# Altium PCB LeVentilateur.PcbDoc (part 1 of 2) (continued)
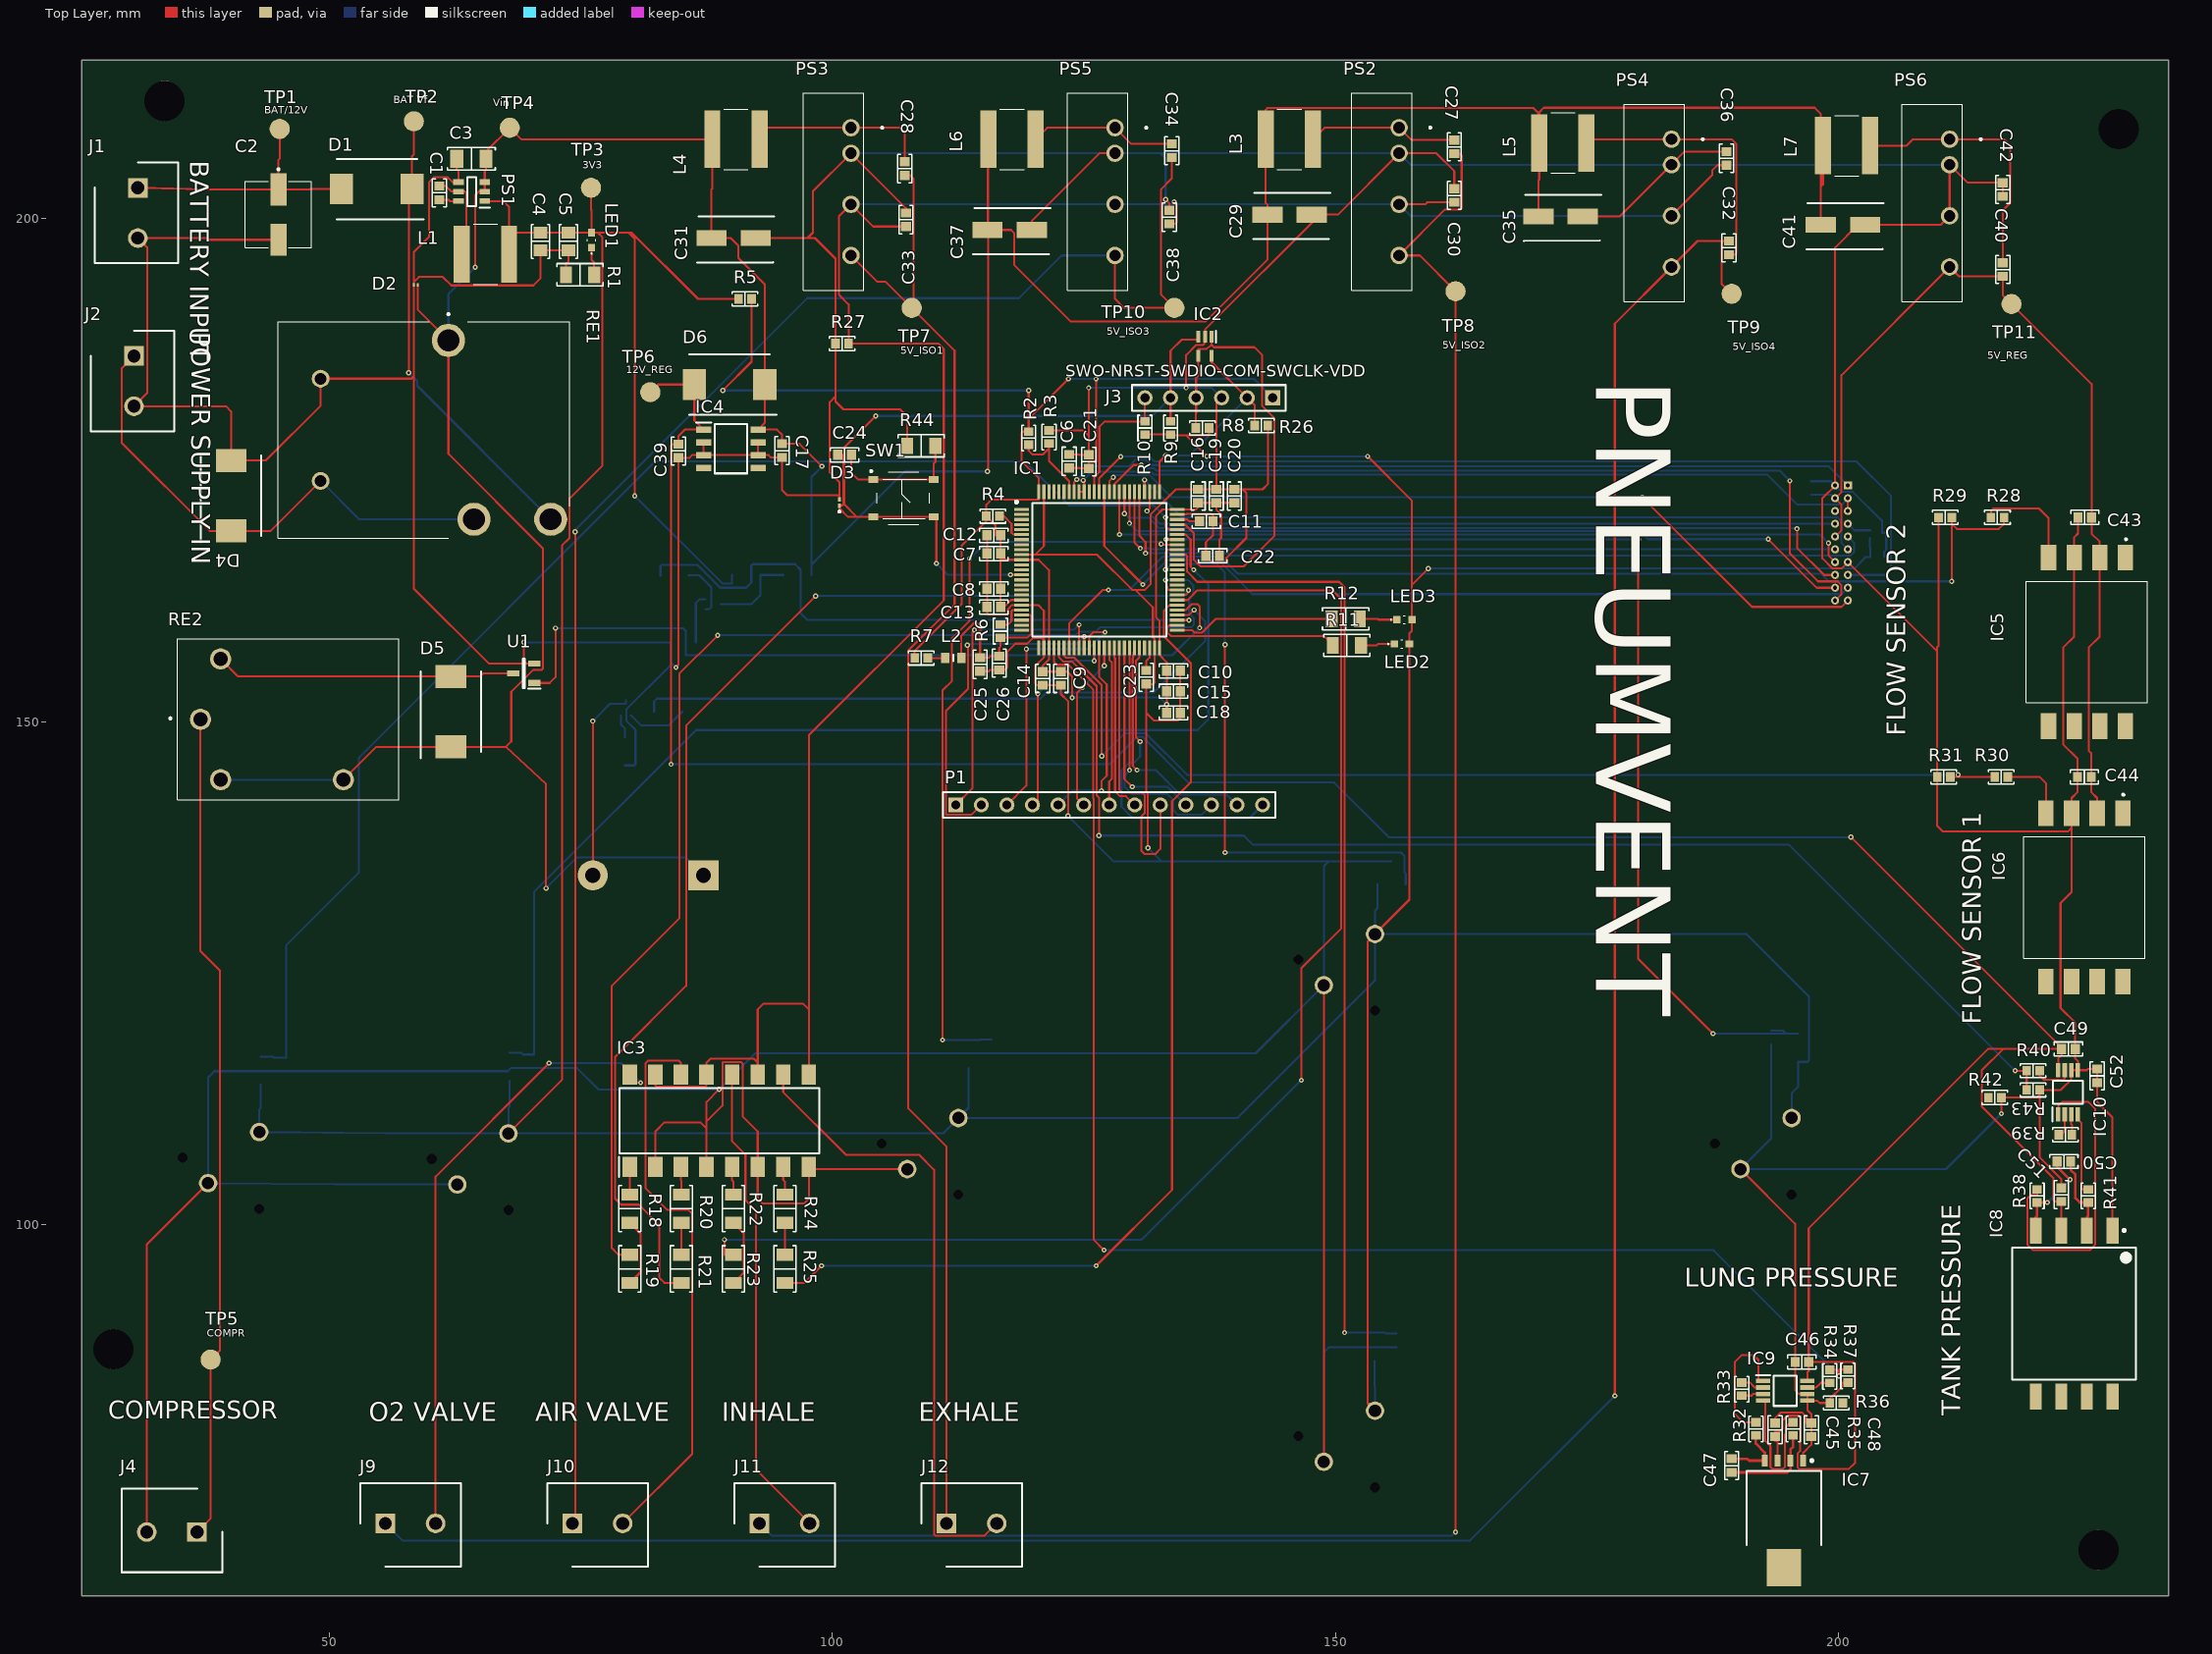
[diagram p0: Top Layer view]
## Part data (continued)
R17: library part ERJ-8ENF10R0V, "RES SMD 1.2K OHM 1% 1/4W 1206", Case/Package=1206, Case Code (Metric)=3216, Manufacturer 1=Yageo, Manufacturer Part Number 1=RC1206FR-071K2L, Max Operating Temperature=155°C, Max Power Dissipation=250mW, Min Operating Temperature=-55°C, Package Quantity=1, Resistance=1.2kR, Supplier Part Number 1=311-1.20KFRCT-ND, Temperature Coefficient=100ppm/°C, Tolerance=1%, Voltage Rating=200V, Case Code (Imperial)=1206, ComponentLink1Description=Datasheet, ComponentLink1URL=http://industrial.panasonic.com/www-cgi/jvcr13pz.cgi?E+PZ+3+AOA0002+ERJ8ENF10R0V+7+WW, ComponentLink2Description="Digi-Key listing", ComponentLink2URL=http://digikey.com/product-detail/en/ERJ-8ENF10R0V/P10.0FTR-ND/88239, ComponentLink3Description=http://www.seielect.com/Catalog/SEI-rncp.pdf?src-supplier=Digi-Key, ComponentLink3URL=http://www.seielect.com/Catalog/SEI-rncp.pdf?src-supplier=Digi-Key, ComponentLink4Description=https://www.seielect.com/catalog/SEI-Packaging.pdf?src-supplier=Digi-Key, ComponentLink4URL=https://www.seielect.com/catalog/SEI-Packaging.pdf?src-supplier=Digi-Key, ComponentLink5Description=https://datasheet.ciiva.com/7857/444357-7857274.pdf?src-supplier=Element14, ComponentLink5URL=https://datasheet.ciiva.com/7857/444357-7857274.pdf?src-supplier=Element14, ComponentLink6Description=https://datasheet.ciiva.com/7857/444357-7857275.pdf?src-supplier=Element14, ComponentLink6URL=https://datasheet.ciiva.com/7857/444357-7857275.pdf?src-supplier=Element14, ComponentLink7Description=https://datasheet.ciiva.com/2460/pyu-rc1206-51-rohs-l-4-2460285.pdf?src-supplier=Digi-Key, ComponentLink7URL=https://datasheet.ciiva.com/2460/pyu-rc1206-51-rohs-l-4-2460285.pdf?src-supplier=Digi-Key, ComponentLink8Description=https://datasheet.ciiva.com/2460/pyu-rc1206-51-rohs-l-4-2460286.pdf?src-supplier=Digi-Key, ComponentLink8URL=https://datasheet.ciiva.com/2460/pyu-rc1206-51-rohs-l-4-2460286.pdf?src-supplier=Digi-Key, ComponentLink9Description=https://datasheet.ciiva.com/2460/pyu-rc1206-51-rohs-l-4-2460287.pdf?src-supplier=Digi-Key, ComponentLink9URL=https://datasheet.ciiva.com/2460/pyu-rc1206-51-rohs-l-4-2460287.pdf?src-supplier=Digi-Key, Composition="Thick Film", Depth=1.6mm, Description 1="RES SMD 1.2K OHM 1% 1/4W 1206", Features="Moisture Resistant", Height=0.026inch, Lead Free="Lead Free", Length=3.1mm, Military Standard=Not, Number of Terminations=2, Packaging="Tape and Reel", Power Rating=250mW, Pricing 1="1 = 0.10000, 10 = 0.07100, 100 = 0.02910, 1000 = 0.01306, 2500 = 0.01134 (USD)", REACH SVHC=Unknown, RoHS 1=Yes, Stock 1=670082, Supplier 1=Digi-Key, Termination=SMD/SMT, Width=0.063inch, Working Voltage=200V
R28 R30: library part ERJ-3EKF1001V, "RES SMD 100K OHM 0.5% 1/16W 0603", Case/Package=0603, Case Code (Metric)=1608, Manufacturer 1=Susumu, Manufacturer Part Number 1=RR0816P-104-D, Max Operating Temperature=125°C, Max Power Dissipation=63mW, Min Operating Temperature=-55°C, Package Quantity=1, Resistance=100kR, Supplier Part Number 1=RR08P100KDCT-ND, Temperature Coefficient=25ppm/°C, Tolerance=0.5%, Voltage Rating=75V, Case Code (Imperial)=0603, ComponentLink1Description=https://datasheet.ciiva.com/11820/0900766b80808d64-11820638.pdf?src-supplier=RSComponents, ComponentLink1URL=https://datasheet.ciiva.com/11820/0900766b80808d64-11820638.pdf?src-supplier=RSComponents, ComponentLink2Description=https://datasheet.ciiva.com/7984/87330-7984341.pdf?src-supplier=Element14, ComponentLink2URL=https://datasheet.ciiva.com/7984/87330-7984341.pdf?src-supplier=Element14, ComponentLink3Description=https://datasheet.ciiva.com/2487/rr-data-sheet-2487067.pdf?src-supplier=Digi-Key, ComponentLink3URL=https://datasheet.ciiva.com/2487/rr-data-sheet-2487067.pdf?src-supplier=Digi-Key, ComponentLink4Description=https://datasheet.ciiva.com/2487/rr-data-sheet-2487068.pdf?src-supplier=Digi-Key, ComponentLink4URL=https://datasheet.ciiva.com/2487/rr-data-sheet-2487068.pdf?src-supplier=Digi-Key, ComponentLink5Description=https://datasheet.ciiva.com/2487/rr-data-sheet-2487069.pdf?src-supplier=Digi-Key, ComponentLink5URL=https://datasheet.ciiva.com/2487/rr-data-sheet-2487069.pdf?src-supplier=Digi-Key, ComponentLink7Description=https://datasheet.ciiva.com/28695/1678796-28695833.pdf?src-supplier=Element14, ComponentLink7URL=https://datasheet.ciiva.com/28695/1678796-28695833.pdf?src-supplier=Element14, ComponentLink8Description=https://datasheet.ciiva.com/5959/1678796-5959707.pdf?src-supplier=Farnell, ComponentLink8URL=https://datasheet.ciiva.com/5959/1678796-5959707.pdf?src-supplier=Farnell, ComponentLink9Description=https://datasheet.ciiva.com/46377/1678796-46377868.pdf?src-supplier=Element14, ComponentLink9URL=https://datasheet.ciiva.com/46377/1678796-46377868.pdf?src-supplier=Element14, ComponentLink10Description=https://datasheet.ciiva.com/9198/aoa0000ce1-9198975.pdf?src-supplier=Avnet, ComponentLink10URL=https://datasheet.ciiva.com/9198/aoa0000ce1-9198975.pdf?src-supplier=Avnet, ComponentLink11Description=https://datasheet.ciiva.com/16758/70255313-16758527.pdf?src-supplier=Allied+Electronics, ComponentLink11URL=https://datasheet.ciiva.com/16758/70255313-16758527.pdf?src-supplier=Allied+Electronics, ComponentLink12Description=https://datasheet.ciiva.com/16834/aoa0000ce1-16834828.pdf?src-supplier=Future+Electronics, ComponentLink12URL=https://datasheet.ciiva.com/16834/aoa0000ce1-16834828.pdf?src-supplier=Future+Electronics, ComponentLink13Description=https://datasheet.ciiva.com/17215/aoa0000ce1-17215388.pdf?src-supplier=Avnet+Europe, ComponentLink13URL=https://datasheet.ciiva.com/17215/aoa0000ce1-17215388.pdf?src-supplier=Avnet+Europe, ComponentLink14Description=https://datasheet.ciiva.com/30199/4aoa0000ce1-30199822.pdf?src-supplier=Onlinecomponents.com, ComponentLink14URL=https://datasheet.ciiva.com/30199/4aoa0000ce1-30199822.pdf?src-supplier=Onlinecomponents.com, Composition="Thin Film", Depth=0.8mm, Description 1="RES SMD 100K OHM 0.5% 1/16W 0603", Height=0.4mm, Lead Free="Lead Free", Length=1.6mm, Number of Pins=2, Number of Terminations=2, Packaging="Tape and Reel", Power Rating=63mW, Pricing 1="1 = 0.10000, 10 = 0.09300, 100 = 0.03580, 1000 = 0.01575, 2500 = 0.01360 (USD)", REACH SVHC=Unknown, RoHS 1=Yes, Stock 1=90889, Supplier 1=Digi-Key, Termination=SMD/SMT, Voltage Rating (DC)=75V, Width=0.8mm, Working Voltage=75V
R29 R31: library part ERJ-3EKF1001V, "RES SMD 200K OHM 0.5% 1/16W 0603", Case/Package=0603, Case Code (Metric)=1608, Manufacturer 1=Susumu, Manufacturer Part Number 1=RR0816P-204-D, Max Operating Temperature=125°C, Min Operating Temperature=-55°C, Power Rating=63mW, Resistance=200kR, Supplier Part Number 1=RR08P200KDCT-ND, Temperature Coefficient=25ppm/°C, Tolerance=0.5%, Voltage Rating=75V, Case Code (Imperial)=0603, ComponentLink1Description=https://datasheet.ciiva.com/11820/0900766b80808d64-11820638.pdf?src-supplier=RSComponents, ComponentLink1URL=https://datasheet.ciiva.com/11820/0900766b80808d64-11820638.pdf?src-supplier=RSComponents, ComponentLink2Description=https://datasheet.ciiva.com/7984/87330-7984341.pdf?src-supplier=Element14, ComponentLink2URL=https://datasheet.ciiva.com/7984/87330-7984341.pdf?src-supplier=Element14, ComponentLink3Description=https://datasheet.ciiva.com/2487/rr-data-sheet-2487067.pdf?src-supplier=Digi-Key, ComponentLink3URL=https://datasheet.ciiva.com/2487/rr-data-sheet-2487067.pdf?src-supplier=Digi-Key, ComponentLink4Description=https://datasheet.ciiva.com/2487/rr-data-sheet-2487068.pdf?src-supplier=Digi-Key, ComponentLink4URL=https://datasheet.ciiva.com/2487/rr-data-sheet-2487068.pdf?src-supplier=Digi-Key, ComponentLink5Description=https://datasheet.ciiva.com/2487/rr-data-sheet-2487069.pdf?src-supplier=Digi-Key, ComponentLink5URL=https://datasheet.ciiva.com/2487/rr-data-sheet-2487069.pdf?src-supplier=Digi-Key, ComponentLink6Description=https://datasheet.ciiva.com/11820/0900766b80808d64-11820394.pdf?src-supplier=RSComponents, ComponentLink6URL=https://datasheet.ciiva.com/11820/0900766b80808d64-11820394.pdf?src-supplier=RSComponents, ComponentLink7Description=https://datasheet.ciiva.com/28695/1678796-28695833.pdf?src-supplier=Element14, ComponentLink7URL=https://datasheet.ciiva.com/28695/1678796-28695833.pdf?src-supplier=Element14, ComponentLink8Description=https://datasheet.ciiva.com/5959/1678796-5959707.pdf?src-supplier=Farnell, ComponentLink8URL=https://datasheet.ciiva.com/5959/1678796-5959707.pdf?src-supplier=Farnell, ComponentLink9Description=https://datasheet.ciiva.com/46377/1678796-46377868.pdf?src-supplier=Element14, ComponentLink9URL=https://datasheet.ciiva.com/46377/1678796-46377868.pdf?src-supplier=Element14, ComponentLink10Description=https://datasheet.ciiva.com/9198/aoa0000ce1-9198975.pdf?src-supplier=Avnet, ComponentLink10URL=https://datasheet.ciiva.com/9198/aoa0000ce1-9198975.pdf?src-supplier=Avnet, ComponentLink11Description=https://datasheet.ciiva.com/16758/70255313-16758527.pdf?src-supplier=Allied+Electronics, ComponentLink11URL=https://datasheet.ciiva.com/16758/70255313-16758527.pdf?src-supplier=Allied+Electronics, ComponentLink12Description=https://datasheet.ciiva.com/16834/aoa0000ce1-16834828.pdf?src-supplier=Future+Electronics, ComponentLink12URL=https://datasheet.ciiva.com/16834/aoa0000ce1-16834828.pdf?src-supplier=Future+Electronics, ComponentLink13Description=https://datasheet.ciiva.com/17215/aoa0000ce1-17215388.pdf?src-supplier=Avnet+Europe, ComponentLink13URL=https://datasheet.ciiva.com/17215/aoa0000ce1-17215388.pdf?src-supplier=Avnet+Europe, ComponentLink14Description=https://datasheet.ciiva.com/30199/4aoa0000ce1-30199822.pdf?src-supplier=Onlinecomponents.com, ComponentLink14URL=https://datasheet.ciiva.com/30199/4aoa0000ce1-30199822.pdf?src-supplier=Onlinecomponents.com, ComponentLink15Description=https://datasheet.ciiva.com/7984/87330-7984334.pdf?src-supplier=Element14, ComponentLink15URL=https://datasheet.ciiva.com/7984/87330-7984334.pdf?src-supplier=Element14, Composition="Thin Film", Depth=0.8mm, Description 1="RES SMD 200K OHM 0.5% 1/16W 0603", Height=0.4mm, Lead Free="Lead Free", Length=1.6mm, Number of Pins=2, Number of Terminations=2, Packaging="Tape and Reel", Pricing 1="1 = 0.11000, 10 = 0.09800, 100 = 0.03760, 1000 = 0.01654, 2500 = 0.01428 (USD)", REACH SVHC=Unknown, RoHS 1=Yes, Stock 1=54417, Supplier 1=Digi-Key, Termination=SMD/SMT, Voltage Rating (DC)=75V, Width=0.8mm, Working Voltage=75V
R32 R34 R35 R36 R37 R38 R40 R41 R42 R43: library part ERJ-3EKF1001V, "RES SMD100K OHM 0.5% 1/16W 0603", ComponentLink1Description=https://datasheet.ciiva.com/11820/0900766b80808d64-11820638.pdf?src-supplier=RSComponents, ComponentLink1URL=https://datasheet.ciiva.com/11820/0900766b80808d64-11820638.pdf?src-supplier=RSComponents, ComponentLink2Description=https://datasheet.ciiva.com/7984/87330-7984341.pdf?src-supplier=Element14, ComponentLink2URL=https://datasheet.ciiva.com/7984/87330-7984341.pdf?src-supplier=Element14, ComponentLink3Description=https://datasheet.ciiva.com/2487/rr-data-sheet-2487067.pdf?src-supplier=Digi-Key, ComponentLink3URL=https://datasheet.ciiva.com/2487/rr-data-sheet-2487067.pdf?src-supplier=Digi-Key, ComponentLink4Description=https://datasheet.ciiva.com/2487/rr-data-sheet-2487068.pdf?src-supplier=Digi-Key, ComponentLink4URL=https://datasheet.ciiva.com/2487/rr-data-sheet-2487068.pdf?src-supplier=Digi-Key, ComponentLink5Description=https://datasheet.ciiva.com/2487/rr-data-sheet-2487069.pdf?src-supplier=Digi-Key, ComponentLink5URL=https://datasheet.ciiva.com/2487/rr-data-sheet-2487069.pdf?src-supplier=Digi-Key, ComponentLink6Description=https://datasheet.ciiva.com/11820/0900766b80808d64-11820394.pdf?src-supplier=RSComponents, ComponentLink6URL=https://datasheet.ciiva.com/11820/0900766b80808d64-11820394.pdf?src-supplier=RSComponents, ComponentLink7Description=https://datasheet.ciiva.com/28695/1678796-28695833.pdf?src-supplier=Element14, ComponentLink7URL=https://datasheet.ciiva.com/28695/1678796-28695833.pdf?src-supplier=Element14, ComponentLink8Description=https://datasheet.ciiva.com/5959/1678796-5959707.pdf?src-supplier=Farnell, ComponentLink8URL=https://datasheet.ciiva.com/5959/1678796-5959707.pdf?src-supplier=Farnell, ComponentLink9Description=https://datasheet.ciiva.com/46377/1678796-46377868.pdf?src-supplier=Element14, ComponentLink9URL=https://datasheet.ciiva.com/46377/1678796-46377868.pdf?src-supplier=Element14, ComponentLink10Description=https://datasheet.ciiva.com/9198/aoa0000ce1-9198975.pdf?src-supplier=Avnet, ComponentLink10URL=https://datasheet.ciiva.com/9198/aoa0000ce1-9198975.pdf?src-supplier=Avnet, ComponentLink11Description=https://datasheet.ciiva.com/16758/70255313-16758527.pdf?src-supplier=Allied+Electronics, ComponentLink11URL=https://datasheet.ciiva.com/16758/70255313-16758527.pdf?src-supplier=Allied+Electronics, ComponentLink12Description=https://datasheet.ciiva.com/16834/aoa0000ce1-16834828.pdf?src-supplier=Future+Electronics, ComponentLink12URL=https://datasheet.ciiva.com/16834/aoa0000ce1-16834828.pdf?src-supplier=Future+Electronics, ComponentLink13Description=https://datasheet.ciiva.com/17215/aoa0000ce1-17215388.pdf?src-supplier=Avnet+Europe, ComponentLink13URL=https://datasheet.ciiva.com/17215/aoa0000ce1-17215388.pdf?src-supplier=Avnet+Europe, ComponentLink14Description=https://datasheet.ciiva.com/30199/4aoa0000ce1-30199822.pdf?src-supplier=Onlinecomponents.com, ComponentLink14URL=https://datasheet.ciiva.com/30199/4aoa0000ce1-30199822.pdf?src-supplier=Onlinecomponents.com, ComponentLink15Description=https://datasheet.ciiva.com/7984/87330-7984334.pdf?src-supplier=Element14, ComponentLink15URL=https://datasheet.ciiva.com/7984/87330-7984334.pdf?src-supplier=Element14
R33 R39: library part ERJ-3EKF1001V, "RES SMD 6K1 OHM 0.5% 1/16W 0603", ComponentLink1Description=https://datasheet.ciiva.com/11820/0900766b80808d64-11820638.pdf?src-supplier=RSComponents, ComponentLink1URL=https://datasheet.ciiva.com/11820/0900766b80808d64-11820638.pdf?src-supplier=RSComponents, ComponentLink2Description=https://datasheet.ciiva.com/7984/87330-7984341.pdf?src-supplier=Element14, ComponentLink2URL=https://datasheet.ciiva.com/7984/87330-7984341.pdf?src-supplier=Element14, ComponentLink3Description=https://datasheet.ciiva.com/2487/rr-data-sheet-2487067.pdf?src-supplier=Digi-Key, ComponentLink3URL=https://datasheet.ciiva.com/2487/rr-data-sheet-2487067.pdf?src-supplier=Digi-Key, ComponentLink4Description=https://datasheet.ciiva.com/2487/rr-data-sheet-2487068.pdf?src-supplier=Digi-Key, ComponentLink4URL=https://datasheet.ciiva.com/2487/rr-data-sheet-2487068.pdf?src-supplier=Digi-Key, ComponentLink5Description=https://datasheet.ciiva.com/2487/rr-data-sheet-2487069.pdf?src-supplier=Digi-Key, ComponentLink5URL=https://datasheet.ciiva.com/2487/rr-data-sheet-2487069.pdf?src-supplier=Digi-Key, ComponentLink6Description=https://datasheet.ciiva.com/11820/0900766b80808d64-11820394.pdf?src-supplier=RSComponents, ComponentLink6URL=https://datasheet.ciiva.com/11820/0900766b80808d64-11820394.pdf?src-supplier=RSComponents, ComponentLink7Description=https://datasheet.ciiva.com/28695/1678796-28695833.pdf?src-supplier=Element14, ComponentLink7URL=https://datasheet.ciiva.com/28695/1678796-28695833.pdf?src-supplier=Element14, ComponentLink8Description=https://datasheet.ciiva.com/5959/1678796-5959707.pdf?src-supplier=Farnell, ComponentLink8URL=https://datasheet.ciiva.com/5959/1678796-5959707.pdf?src-supplier=Farnell, ComponentLink9Description=https://datasheet.ciiva.com/46377/1678796-46377868.pdf?src-supplier=Element14, ComponentLink9URL=https://datasheet.ciiva.com/46377/1678796-46377868.pdf?src-supplier=Element14, ComponentLink10Description=https://datasheet.ciiva.com/9198/aoa0000ce1-9198975.pdf?src-supplier=Avnet, ComponentLink10URL=https://datasheet.ciiva.com/9198/aoa0000ce1-9198975.pdf?src-supplier=Avnet, ComponentLink11Description=https://datasheet.ciiva.com/16758/70255313-16758527.pdf?src-supplier=Allied+Electronics, ComponentLink11URL=https://datasheet.ciiva.com/16758/70255313-16758527.pdf?src-supplier=Allied+Electronics, ComponentLink12Description=https://datasheet.ciiva.com/16834/aoa0000ce1-16834828.pdf?src-supplier=Future+Electronics, ComponentLink12URL=https://datasheet.ciiva.com/16834/aoa0000ce1-16834828.pdf?src-supplier=Future+Electronics, ComponentLink13Description=https://datasheet.ciiva.com/17215/aoa0000ce1-17215388.pdf?src-supplier=Avnet+Europe, ComponentLink13URL=https://datasheet.ciiva.com/17215/aoa0000ce1-17215388.pdf?src-supplier=Avnet+Europe, ComponentLink14Description=https://datasheet.ciiva.com/30199/4aoa0000ce1-30199822.pdf?src-supplier=Onlinecomponents.com, ComponentLink14URL=https://datasheet.ciiva.com/30199/4aoa0000ce1-30199822.pdf?src-supplier=Onlinecomponents.com, ComponentLink15Description=https://datasheet.ciiva.com/7984/87330-7984334.pdf?src-supplier=Element14, ComponentLink15URL=https://datasheet.ciiva.com/7984/87330-7984334.pdf?src-supplier=Element14
RE1: "RELAY GEN PURPOSE SPDT 20A 12V", Coil Current=75mA, Coil Power=900mW, Coil Resistance=160R, Coil Voltage (DC)=12V, Contact Current Rating=20A, Manufacturer 1="TE Connectivity P&B", Manufacturer Part Number 1=T9GV5L14-12, Max Operating Temperature=105°C, Min Operating Temperature=-40°C, Supplier Part Number 1=PB2355-ND, Coil Type=Non-Latching, ComponentLink1Description=https://www.te.com/commerce/DocumentDelivery/DDEController?Action=srchrtrv&amp;DocNm=T9G_1216&amp;DocType=DS&amp;DocLang=English&src-supplier=Digi-Key, ComponentLink1URL=https://www.te.com/commerce/DocumentDelivery/DDEController?Action=srchrtrv&amp;DocNm=T9G_1216&amp;DocType=DS&amp;DocLang=English&src-supplier=Digi-Key, Contact Material=Tin,Silver, Mount="Through Hole", Operate Time=15ms, Packaging=Bulk, Pricing 1="1 = 4.10000, 10 = 3.84800, 25 = 3.42000, 50 = 3.24900, 100 = 3.07800, 250 = 2.73600, 500 = 2.56500, 1000 = 2.39400, 5000 = 2.30850 (USD)", Relay Type="General Purpose", Release Time=22ms, RoHS 1=No, Stock 1=1403, Supplier 1=Digi-Key, Termination="PC Pin", Throw Configuration=SPDT
RE2: Coil Current=53.3mA, Coil Power=640mW, Coil Resistance=225R, Coil Voltage (DC)=12V, Contact Current Rating=15A, Manufacturer 1=Panasonic, Manufacturer Part Number 1=JSM1A-12V-5, Max Operating Temperature=85°C, Max Voltage Rating (DC)=16V, Min Operating Temperature=-40°C, Package Quantity=100, Supplier Part Number 1=255-2815-ND, Coil Type=Non-Latching, ComponentLink1Description=https://datasheet.ciiva.com/2408/ds-61211-en-jsm-pd-2408039.pdf?src-supplier=Digi-Key, ComponentLink1URL=https://datasheet.ciiva.com/2408/ds-61211-en-jsm-pd-2408039.pdf?src-supplier=Digi-Key, Contact Material=Silver,Cadmium, Description 1="RELAY AUTOMOTIVE SPST 15A 12V", Lead Free="Lead Free", Max Current Rating=15A, Mount="Through Hole", Number of Pins=4, Operate Time=10ms, Packaging=Bulk, Power Consumption=640mW, Pricing 1="1 = 1.75000, 10 = 1.64300, 25 = 1.46000, 50 = 1.38700, 100 = 1.31400, 250 = 1.16800, 500 = 1.09500, 1000 = 1.02200, 5000 = 0.98550 (USD)", Relay Type=Automotive, Release Time=10ms, RoHS 1=Yes, Stock 1=2893, Supplier 1=Digi-Key, Termination="PC Pin", Throw Configuration=SPST, Weight=12g
SW1: Manufacturer 1="ITT C&K", Manufacturer Part Number 1=PTS526SM15SMTR2LFS, Supplier Part Number 1=CKN12220-1-ND, Pricing 1="1 = 0.10000, 10 = 0.08500, 25 = 0.08240, 50 = 0.07940, 100 = 0.07500, 250 = 0.07064, 500 = 0.06768, 1000 = 0.05149 (USD)", RoHS 1=No, Stock 1=5684, Supplier 1=Digi-Key
SW2 SW3 SW4 SW5 SW6 SW7: "SWITCH TACT SPST-NO 0.025A 50V", Color=Black, Contact Resistance=50mR, Current Rating=25mA, Manufacturer 1=E-Switch, Manufacturer Part Number 1=320E11BLK, Max Operating Temperature=70°C, Max Voltage Rating (DC)=50V, Min Operating Temperature=-20°C, Operating Force=135gf, Package Quantity=1, Supplier Part Number 1=EG1301-ND, Actuator Length=2.55mm, Actuator Material=PC,Polycarbonate, ComponentLink1Description=https://datasheet.ciiva.com/16154/xb0016p-16154688.pdf?src-supplier=Onlinecomponents.com, ComponentLink1URL=https://datasheet.ciiva.com/16154/xb0016p-16154688.pdf?src-supplier=Onlinecomponents.com, Contact Material="Copper Alloy,Copper,Silver", Contact Plating=Silver, Description 1="Switch Tactile N.O. SPST Square Button PC Pins 0.025A 50VDC 1.32N Thru-Hole", Electrical Life=1000000Cycles, Housing Material=Nylon, Illumination Type=Non-Illuminated, Lead Free="Lead Free", Length=12.5mm, Mechanical Life=1000000Cycles, Mount="Through Hole", Orientation=Straight, Packaging=Bulk, Pricing 1="1 = 1.43000, 10 = 1.33800, 25 = 1.27400, 50 = 1.21040, 100 = 1.17850, 250 = 1.14660, 500 = 1.08290, 1000 = 1.01920, 5000 = 0.85995 (USD)", RoHS 1=Yes, Stock 1=1989, Supplier 1=Digi-Key, Switch Function=Off-Mom, Switch Travel=0.6mm, Termination="PC Pin", Throw Configuration=SPST, Voltage Rating (DC)=50V, Width=12.5mm
TP1 TP2 TP3 TP4 TP5 TP6 TP7 TP8 TP9 TP10 TP11: "Test Point"
U1: "IC PWR DRVR N-CHAN 1:1 SOT23-3", Case/Package=SOT-23, Continuous Drain Current (ID)=150mA, Current Rating=200mA, Drain to Source Breakdown Voltage=28V, Drain to Source Resistance=800mR, Gate to Source Voltage (Vgs)=12V, Manufacturer 1="ON Semiconductor", Max Operating Temperature=125°C, Min Operating Temperature=-40°C, On-State Resistance=1.4R, Package Quantity=3000, Power Dissipation=225mW, Supplier Part Number 1=NUD3124LT1GOSCT-ND, ComponentLink1Description=https://datasheet.ciiva.com/1955/nud3124-d-1955016.pdf?src-supplier=Digi-Key, ComponentLink1URL=https://datasheet.ciiva.com/1955/nud3124-d-1955016.pdf?src-supplier=Digi-Key, ComponentLink2Description=https://datasheet.ciiva.com/11168/nud3124-d-11168232.pdf?src-supplier=Avnet, ComponentLink2URL=https://datasheet.ciiva.com/11168/nud3124-d-11168232.pdf?src-supplier=Avnet, ComponentLink3Description=https://datasheet.ciiva.com/1955/nud3124-d-1955017.pdf?src-supplier=Digi-Key, ComponentLink3URL=https://datasheet.ciiva.com/1955/nud3124-d-1955017.pdf?src-supplier=Digi-Key, ComponentLink4Description=https://datasheet.ciiva.com/16486/nud3124-d-16486430.pdf?src-supplier=Avnet+Asia, ComponentLink4URL=https://datasheet.ciiva.com/16486/nud3124-d-16486430.pdf?src-supplier=Avnet+Asia, ComponentLink5Description=https://datasheet.ciiva.com/1955/nud3124-d-1955015.pdf?src-supplier=Digi-Key, ComponentLink5URL=https://datasheet.ciiva.com/1955/nud3124-d-1955015.pdf?src-supplier=Digi-Key, ComponentLink6Description=https://datasheet.ciiva.com/1609/1792914-1609179.pdf?src-supplier=Newark, ComponentLink6URL=https://datasheet.ciiva.com/1609/1792914-1609179.pdf?src-supplier=Newark, ComponentLink7Description=https://datasheet.ciiva.com/26145/nud3124-d-26145435.pdf?src-supplier=Avnet+Europe, ComponentLink7URL=https://datasheet.ciiva.com/26145/nud3124-d-26145435.pdf?src-supplier=Avnet+Europe, ComponentLink8Description=https://datasheet.ciiva.com/11166/nud3124-d-11166028.pdf?src-supplier=Avnet, ComponentLink8URL=https://datasheet.ciiva.com/11166/nud3124-d-11166028.pdf?src-supplier=Avnet, ComponentLink9Description=https://datasheet.ciiva.com/16200/nud3124-d-16200989.pdf?src-supplier=Future+Electronics, ComponentLink9URL=https://datasheet.ciiva.com/16200/nud3124-d-16200989.pdf?src-supplier=Future+Electronics, Contact Plating=Tin,Matte, Description 1="Trans MOSFET N-CH 28V 0.15A 3-Pin SOT-23 T/R", Drain to Source Voltage (Vdss)=28V, Element Configuration=Single, Fall Time=708ns, Halogen Free="Halogen Free", Height=1.01mm, Interface=On/Off, Lead Free="Lead Free", Length=3.04mm, Manufacturer Part Number 1=NUD3124LT1G, Max Output Current=150mA, Max Supply Voltage=28V, Mount="Surface Mount", Number of Drivers=1, Number of Elements=1, Number of Outputs=1, Number of Pins=3, Output Configuration="Low Side", Output Current=200mA, Output Voltage=28V, Packaging="Tape and Reel", Pricing 1="1 = 0.40000, 10 = 0.34200, 25 = 0.31880, 100 = 0.23690, 250 = 0.20044, 500 = 0.19132, 1000 = 0.14121 (USD)", Radiation Hardening=No, REACH SVHC="No SVHC", Rise Time=708ns, RoHS 1=Yes, Stock 1=48744, Supplier 1=Digi-Key, Width=1.4mm
Y1: library part DSC6083HE1A-032K800T, "MEMS OSC XO 2.0000KHZ CMOS SMD", Manufacturer 1=Microchip, Manufacturer Part Number 1=DSC6083HI2A-002K000T, Supplier Part Number 1=DSC6083HI2A-002K000TCT-ND, ComponentLink1Description=http://www.microchip.com/mymicrochip/filehandler.aspx?ddocname=en587489&src-supplier=Digi-Key, ComponentLink1URL=http://www.microchip.com/mymicrochip/filehandler.aspx?ddocname=en587489&src-supplier=Digi-Key, Description 1="MEMS OSC XO 2.0000KHZ CMOS SMD", Pricing 1="1 = 1.17000, 25 = 0.97000, 100 = 0.88000 (USD)", RoHS 1=No, Stock 1=822, Supplier 1=Digi-Key

## Free pads (board coordinates)
  oval 2.54x4 hole 4: ""(28.575,87.63) ""(33.655,211.709) ""(225.806,67.691) ""(227.838,208.915)

## Via types
v1: diameter 0.508, hole 0.229, Top Layer to Bottom Layer, 104 vias

## Nets (pads, with @x,y where several pads share a name; then routed paths per layer and width w, separated by ;. In a path a pad name is that pad's centre, name@x,y a point inside that pad or via, vN(x,y) a via of type N, cw(c..) or ccw(c..) an arc to the next point about the centre after c; other vN are vias at no path point)
3V3: C4.2 C5.2 C53.1 L1.2 LED1.2 LED2.2 LED3.2 PS1.1 R5.1 R8.1 R9.1 R10.1 R14.2 R45.2 R46.2 R47.2 R48.2 R49.2 R50.2 SW2.1 SW3.1 SW4.1 SW5.1 SW6.1 SW7.1 TP3.1 Y1.4 | length 551.2
  Top Layer w0.203: PS1.1@65.465,201.742 67.308,201.742 67.882,201.168 L1.2@67.882,198.614 ; SW6.1@67.818,109.093 73.127,114.402 73.127,167.513 73.889,168.275 73.889,172.187 77.165,175.463 77.165,198.159 76.708,198.616 ; L1.2@67.882,196.469 L1.2@67.882,198.614 ; TP3.1@76.023,203.073 76.023,200.862 76.073,200.812 LED1.2@76.073,198.616 ; v1(80.366,172.441) 80.366,198.006 79.756,198.616 ; R5.1@90.678,192.024 86.653,192.024 80.061,198.616 79.756,198.616 ; R10.1@131.064,178.547 R9.1@133.604,178.547 133.604,178.486 135.103,178.486 ; v1(137.211,176.378) 135.103,178.486 ; R8.1@137.429,179.197 137.429,178.628 137.287,178.486 135.103,178.486 ; v1(153.187,176.378) 157.595,171.97 157.595,163.615 ; SW2.1@153.924,81.534 153.187,82.271 153.187,128.168 SW3.1@153.924,128.905 157.341,132.322 LED2.2@157.341,157.734 157.341,158.801 157.595,159.055 LED3.2@157.595,160.147 157.595,163.615 ; v1(159.207,165.227) 157.595,163.615 ; L1.2@67.882,198.614 C4.2@70.993,198.614 C5.2@73.787,198.614 74.905,198.614 74.907,198.616 LED1.2@76.073,198.616 ; LED1.2@76.073,198.616 76.708,198.616 ; 76.708,198.616 79.756,198.616
  Bottom Layer w0.203: R50.2@43.18,113.916 43.18,111.608 43.053,111.481 SW7.1@43.053,109.22 55.575,109.093 SW6.1@67.818,109.093 ; R49.2@67.945,114.305 67.945,111.76 67.818,111.633 SW6.1@67.818,109.093 ; v1(80.366,172.441) 89.058,163.748 90.04,163.748 R14.2@90.04,164.592 ; R47.2@113.538,115.567 113.538,111.633 SW4.1@112.522,110.617 ; v1(137.211,176.378) v1(153.187,176.378) ; R45.2@153.879,86.484 153.879,84.018 153.924,83.972 SW2.1@153.924,81.534 ; R46.2@154.175,133.858 154.175,131.493 153.924,131.242 SW3.1@153.924,128.905 ; v1(159.207,165.227) 201.549,165.227 202.692,166.37 C53.1@203.16,166.37 203.16,167.284 203.108,167.336 Y1.4@203.108,168.281 ; SW5.1@195.324,110.617 195.324,113.081 195.961,113.718 R48.2@195.961,116.202 196.898,116.202 197.028,116.332 197.028,122.707 190.83,128.905 SW3.1@153.924,128.905 ; SW6.1@67.818,109.093 110.998,109.093 SW4.1@112.522,110.617 ; SW4.1@112.522,110.617 140.259,110.617 153.924,124.282 SW3.1@153.924,128.905
5V_ISO_1: C28.2 J12.1 PS3.6 TP7.1 | length 148.2
  Top Layer w0.203: PS3.6@101.854,196.342 104.445,193.751 105.272,193.751 TP7.1@107.888,191.135 ; C28.2@107.188,204.303 107.711,204.303 108.052,203.962 108.052,191.299 TP7.1@107.888,191.135 ; J12.1@111.332,70.329 111.332,107.794 107.518,111.608 107.518,157.048 112.141,161.671 112.141,186.882 TP7.1@107.888,191.135
5V_ISO_2: C27.2 J11.1 PS2.6 TP8.1 | length 214.4
  Top Layer w0.203: C27.2@161.798,206.462 162.321,206.462 162.535,206.248 162.535,201.041 162.408,200.914 160.891,200.914 PS2.6@156.319,196.342 158.369,196.342 TP8.1@161.925,192.786 v1(161.925,69.469)
  Bottom Layer w0.203: J11.1@92.748,70.329 93.963,69.113 161.569,69.113 v1(161.925,69.469)
5V_ISO_3: C34.2 J10.1 PS5.6 TP10.1 | length 190.3
  Top Layer w0.203: J10.1@74.163,70.329 74.447,70.613 v1(74.447,168.885) ; PS5.6@128.09,196.342 128.09,192.024 128.979,191.135 TP10.1@133.985,191.135 132.639,192.481 132.639,202.895 133.731,203.987 C34.2@133.731,206.081
  Bottom Layer w0.203: v1(74.447,168.885) 74.447,169.052 97.496,192.1 118.542,192.1 122.784,196.342 PS5.6@128.09,196.342
5V_ISO_4: C32.2 J9.1 PS4.6 TP9.1 | length 255.9
  Top Layer w0.203: v1(177.749,83.007) 177.749,189.56 PS4.6@183.388,195.199 185.968,197.779 188.533,197.779 ; C32.2@189.103,197.779 188.533,197.779 ; TP9.1@189.357,192.532 188.366,193.523 188.366,197.612 188.533,197.779
  Bottom Layer w0.203: J9.1@55.579,70.329 57.277,68.631 163.373,68.631 v1(177.749,83.007)
5V_REG: C40.2 C43.1 C44.1 C54.1 IC5.2 IC6.2 IC11.16 IC11.19 PS6.6 TP11.1 | length 98.4
  Top Layer w0.203: IC11.16@199.644,168.402 200.279,169.037 200.279,171.577 IC11.19@199.644,172.212 200.279,172.847 200.279,184.457 PS6.6@211.021,195.199 211.95,194.27 C40.2@216.301,194.27 216.301,192.385 TP11.1@217.17,191.516 225.124,183.562 C43.1@225.124,170.307 225.124,168.703 225.933,167.894 IC5.2@225.933,166.323 225.933,158.471 224.841,157.378 224.841,147.142 225.084,146.899 C44.1@225.084,144.526 225.084,143.013 225.679,142.418 IC6.2@225.679,140.923
  Bottom Layer w0.203: C54.1@197.231,172.553 199.303,172.553 IC11.19@199.644,172.212
12V_ISO: D4.1 J2.1 RE1.3 RE1.4 | length 51.4
  Top Layer w0.203: J2.1@30.607,186.356 29.388,185.137 29.388,177.724 38.146,168.966 D4.1@40.259,168.966 44.182,168.966 RE1.3@49.153,173.937
  Bottom Layer w0.203: RE1.3@49.153,173.937 52.963,170.127 RE1.4@64.393,170.127
12V_REG: C39.1 C45.1 C46.2 C49.2 C51.2 D6.2 IC4.1 IC7.3 IC8.3 IC9.8 IC10.8 TP6.1 | length 302.9
  Top Layer w0.203: TP6.1@81.915,182.753 82.677,183.515 D6.2@86.289,183.515 86.289,179.956 IC4.1@87.204,179.041 85.344,179.041 84.709,178.406 C39.1@84.709,177.586 84.139,177.586 83.972,177.419 v1(83.972,145.771) ; IC7.3@193.929,76.562 193.929,78.517 193.668,78.517 C45.1@193.668,78.954 193.668,79.451 194.107,79.451 194.412,79.756 194.412,80.542 194.902,81.033 196.042,81.033 196.176,80.899 196.176,77.546 195.936,77.306 195.936,75.87 196.088,75.717 200.99,75.717 201.625,76.352 201.625,86.233 201.498,86.36 C46.2@197.017,86.36 ; IC9.8@196.891,84.481 196.891,85.344 197.017,85.47 C46.2@197.017,86.36 ; v1(201.219,138.532) 222.148,117.602 C49.2@222.148,117.475 ; IC10.8@221.808,115.37 221.808,116.526 222.148,116.865 C49.2@222.148,117.475 ; IC8.3@222.123,99.436 C51.2@222.123,102.322 221.488,102.322 221.336,102.474 221.336,104.648 214.198,111.785 214.198,115.341 216.332,117.475 ; C46.2@197.017,86.36 197.017,99.659 214.833,117.475 216.332,117.475 ; 216.332,117.475 C49.2@222.148,117.475
  Bottom Layer w0.203: v1(83.972,145.771) 127.533,145.771 130.277,148.514 130.81,148.514 135.357,143.967 149.86,143.967 155.296,138.532 v1(201.219,138.532)